# Altium PCB roach2.PcbDoc (part 28 of 39)
Units mil, origin at the board's own origin, x right, y up, seen from the top; angles counter-clockwise.
Board outline 12007.87 x 9606.3 mil, 16 copper layers (L1_TOP, L2_G, L3_S, L4_G, L5_S, L6_P, L7_G, L8_R, L9_R, L10_P, L11_P, L12_S, L13_P, L14_S, L15_G, L16_BOT), stack 81.651 mil thick; 1568 components, 1918 nets, 9251 pads, 6741 vias.
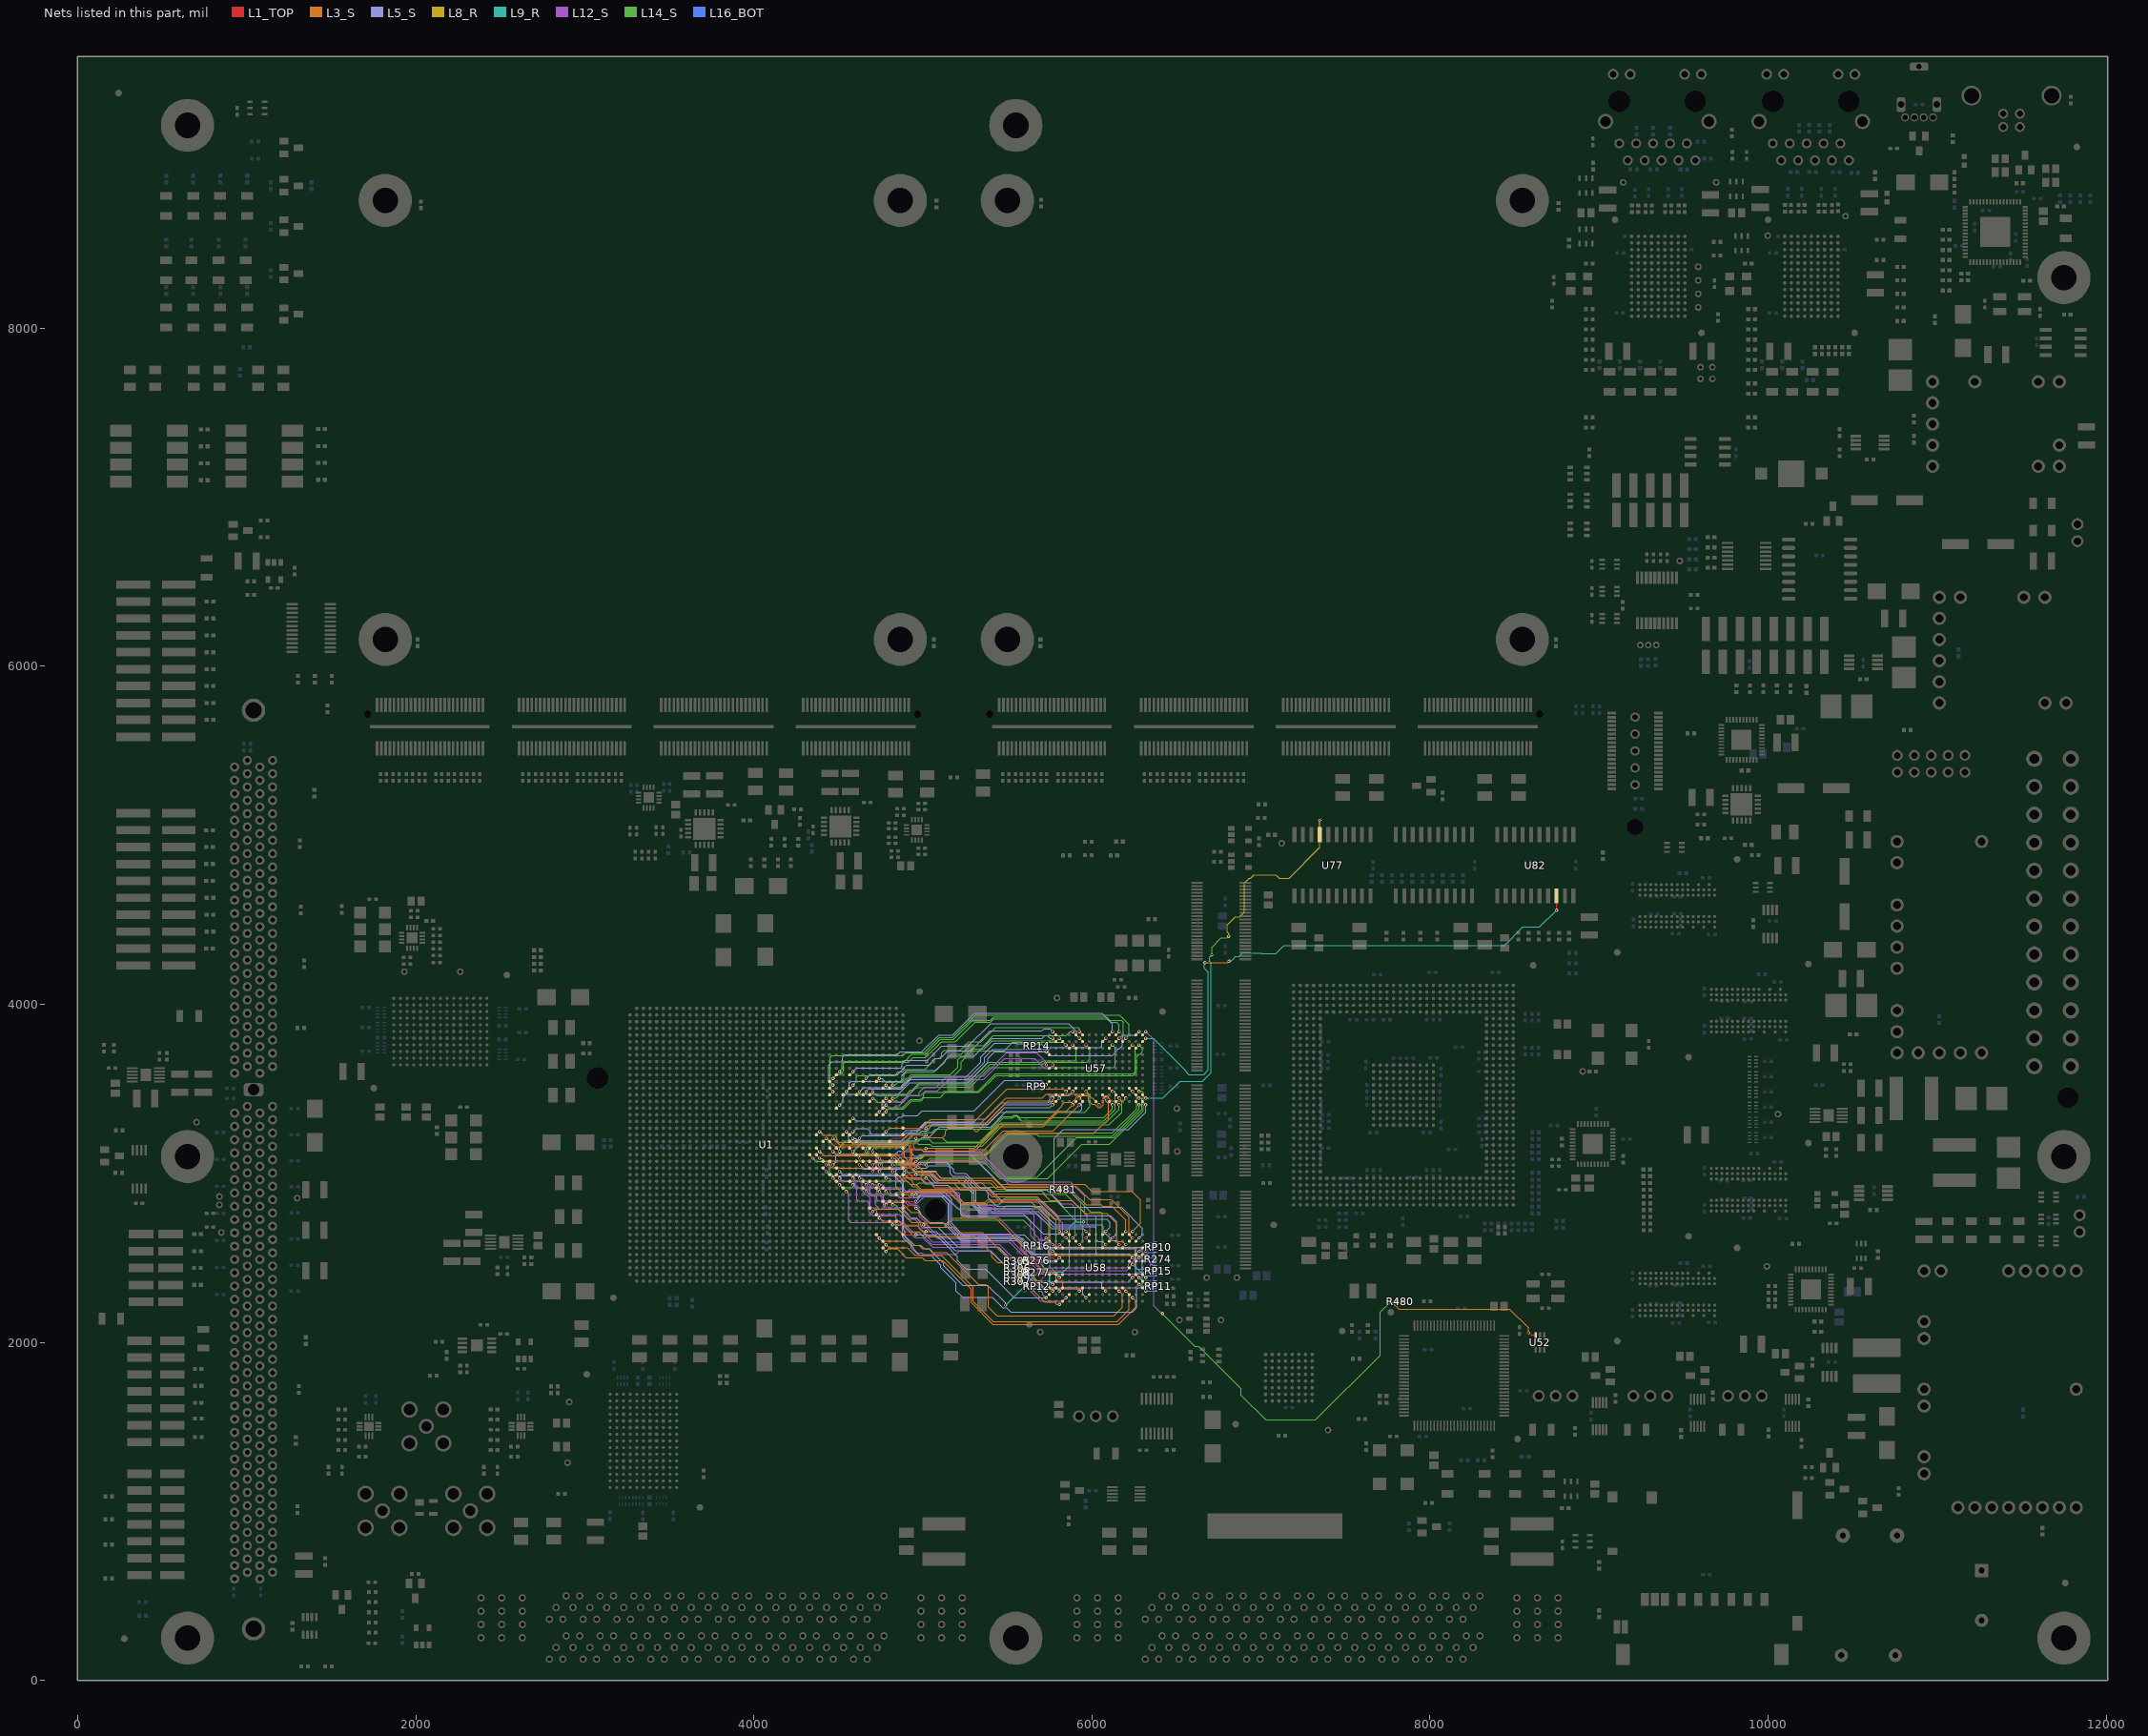
[diagram p42: the nets of this part, all layers, seen from the top]

## Via types
v1: diameter 19.4, hole 10, L1_TOP to L16_BOT, tented both sides, 3354 vias
v2: diameter 19.4, hole 10, L1_TOP to L16_BOT, 1954 vias
v3: diameter 19.4, hole 10, L1_TOP to L16_BOT, tented top, 429 vias
v4: diameter 18.6, hole 10, L1_TOP to L16_BOT, tented both sides, 311 vias
v5: diameter 59.06, hole 39.37, L1_TOP to L16_BOT, 217 vias
v6: diameter 19.4, hole 10.04, L1_TOP to L16_BOT, 125 vias
v7: diameter 19, hole 10, L1_TOP to L16_BOT, 93 vias
v8: diameter 19.4, hole 10, L1_TOP to L16_BOT, tented bottom, 80 vias
v9: diameter 25.98, hole 12.99, L1_TOP to L16_BOT, tented top, 55 vias
v10: diameter 20, hole 10, L1_TOP to L16_BOT, 53 vias
v11: diameter 59.06, hole 39.37, L1_TOP to L16_BOT, tented top, 44 vias
v12: diameter 20, hole 10, L1_TOP to L16_BOT, tented top, 16 vias
v13: diameter 19, hole 10, L1_TOP to L16_BOT, tented top, 5 vias
v14: diameter 25.98, hole 12.99, L1_TOP to L16_BOT, 4 vias
v15: diameter 50, hole 28, L1_TOP to L16_BOT, 1 vias

## Nets (pads, with @x,y where several pads share a name; then routed paths per layer and width w, separated by ;. In a path a pad name is that pad's centre, name@x,y a point inside that pad or via, vN(x,y) a via of type N, cw(c..) or ccw(c..) an arc to the next point about the centre after c; other vN are vias at no path point) (continued)
QDR0.D35: U1.E24 U57.P2 | length 1927.1
  L1_TOP w5: U1.E24@4723.51,3069.33 v1(4743.2,3049.64) ; U57.P2@6259.84,3464.57 v1(6279.53,3444.88)
  L14_S w3.8: v1(4743.2,3049.64) 4759.05,3065.49 4833.49,3065.49 4839.71,3059.28 4947.72,3059.28 4953.27,3053.73 4967.23,3053.73 4986.92,3073.42 5025.42,3073.42 5043.49,3091.49 5371.49,3091.49 5483.98,2979 5675.85,2979 5909.45,3212.6 6129.92,3212.6 6295.28,3377.95 6295.28,3440.94 6291.34,3444.88 v1(6279.53,3444.88)
QDR0.DOFFN: U1.A19 U57.H1 | length 1298.3
  L1_TOP w5: U1.A19@4880.99,3266.18 4881.89,3266.18 v2(5018.79,3266.18) ; U57.H1@6023.62,3425.2 v1(6043.31,3405.51)
  L3_S w3.8: v2@5019.68,3267.72 5039.37,3287.4 5334.65,3287.4 5492.13,3444.88 5706.29,3444.88 5729.68,3468.28 5974.26,3468.28 5997.66,3444.88 6003.94,3444.88 v1(6043.31,3405.51)
QDR0.K: U1.D17 U57.B6 | length 1238
  L1_TOP w5: U1.D17@4762.88,3344.92 4764.1,3346.14 v1(4782.57,3364.61) ; v1(5767.72,3641.73) U57.B6@5787.4,3622.05
  L12_S w3.8: v1(4782.57,3364.61) 4806.34,3388.38 4828.4,3388.38 4842.02,3401.99 4860.78,3401.99 4921.78,3462.99 4990.55,3462.99 4996.06,3468.5 5015.75,3488.19 5086.61,3488.19 5153.54,3555.12 5358.27,3555.12 5484.25,3681.1 5507,3681.1 5571.4,3681.1 cw(c5571.4,3676.7) 5575.8,3676.7 5575.8,3665 ccw(c5580.2,3665) 5580.2,3660.6 ccw(c5580.2,3665) 5584.6,3665 5584.6,3676.7 cw(c5589,3676.7) 5589,3681.1 5661.42,3681.1 5720.47,3622.05 5748.03,3622.05 v1(5767.72,3641.73)
QDR0.KN: U1.E17 U57.A6 | length 1238.2
  L1_TOP w5: U1.E17@4723.51,3344.92 4724.73,3346.14 v1(4743.2,3364.61) ; v1(5728.35,3641.73) U57.A6@5748.03,3622.05
  L12_S w3.8: v1(4743.2,3364.61) 4759.7,3381.1 4759.7,3406.2 4776.99,3423.49 4871.25,3423.49 4955.64,3507.87 5078.74,3507.87 5145.67,3574.8 5358.27,3574.8 5496.06,3712.6 5673.23,3712.6 5728.35,3657.48 v1(5728.35,3641.73)
QDR0.Q0: U1.G14 U57.P11 | length 1908.8
  L1_TOP w5: U1.G14@4644.77,3463.03 4645.99,3464.25 v1(4664.46,3482.72) ; U57.P11@6259.84,3818.9 v1(6279.53,3838.58)
  L5_S w3.8: v1(4664.46,3482.72) 4680.06,3498.32 4870.85,3498.32 4927.65,3555.12 5263.78,3555.12 5366.14,3657.48 5366.14,3685.04 5413.39,3732.28 5637.8,3732.28 5641.59,3736.07 5736.37,3736.07 5744.09,3728.35 5744.09,3712.6 5759.84,3696.85 6120.49,3696.85 6145.82,3722.18 6145.82,3726.94 6154.96,3736.07 6161.27,3736.07 6181.1,3755.91 6181.1,3807.09 6192.91,3818.9 6259.84,3818.9 v1(6279.53,3838.58)
QDR0.Q1: U1.M14 U57.M10 | length 2250.9
  L1_TOP w5: U1.M14@4447.92,3463.03 4449.14,3464.25 v1(4467.61,3482.72) ; U57.M10@6181.1,3779.53 v1(6200.79,3799.21)
  L14_S w3.8: v1@4468.5,3484.25 4452.01,3500.75 4452.01,3686.03 4461.51,3695.54 4880.9,3695.54 4900.21,3714.85 4913.14,3714.85 4915.47,3712.52 5007.8,3712.52 5098.43,3803.15 5177.17,3803.15 5311.02,3937.01 6162.98,3937.01 6220.47,3879.51 6220.47,3818.9 v1(6200.79,3799.21)
QDR0.Q2: U1.M12 U57.L11 | length 1975.9
  L1_TOP w5: U1.M12@4447.92,3541.77 v1(4467.61,3561.46) ; U57.L11@6141.73,3818.9 v1(6161.42,3838.58)
  L14_S w3.8: v1(4467.61,3561.46) 4489.64,3583.49 4511.7,3583.49 4530.75,3602.54 4530.75,3647.75 4539.17,3656.17 4912.07,3656.17 4913.39,3657.48 4940.94,3685.04 5015.75,3685.04 5110.24,3779.53 5194.07,3779.53 5308.32,3893.77 5337.67,3893.77 5337.74,3893.7 5399.2,3893.7 5418.88,3913.39 6088.99,3913.39 6108.68,3893.7 6145.67,3893.7 6161.42,3877.95 v1(6161.42,3838.58)
QDR0.Q3: U1.M13 U57.K11 | length 2073
  L1_TOP w5: U1.M13@4447.92,3502.4 4449.14,3503.62 v1(4467.61,3522.09) ; U57.K11@6102.36,3818.9 v1(6122.05,3838.58)
  L5_S w3.8: v1@4468.5,3523.62 4443.84,3548.29 4443.84,3641.34 4461.49,3658.99 4515.49,3658.99 4525.99,3669.49 4525.99,3686.99 4540.49,3701.49 4847.99,3701.49 4865.99,3719.49 4994.79,3719.49 4999.85,3724.56 ; 5000,3724.41 4999.85,3724.56 ; v1(6122.05,3838.58) 6122.05,3885.83 6059.05,3948.82 5307.09,3948.82 5177.17,3818.9 5094.19,3818.9 4999.85,3724.56
QDR0.Q4: U1.H14 U57.J10 | length 1702
  L1_TOP w5: U1.H14@4605.4,3463.03 v1(4625.09,3482.72) ; U57.J10@6062.99,3779.53 v1(6082.68,3799.21)
  L5_S w3.8: v1(4625.09,3482.72) 4648.86,3506.49 4867.99,3506.49 4932.37,3570.87 5255.91,3570.87 5342.52,3657.48 5342.52,3688.98 5424.54,3771 5551.68,3771 5554.96,3767.72 5698.41,3767.72 5722.03,3744.09 6023.62,3744.09 ; 6027.56,3744.09 6023.62,3744.09 ; v1(6082.68,3799.21) 6058.91,3775.44 6058.91,3753.38 6049.77,3744.24 6039.52,3744.24 6039.37,3744.09 6023.62,3744.09
QDR0.Q5: U1.J13 U57.F11 | length 1588.1
  L1_TOP w5: U1.J13@4566.03,3502.4 4567.25,3503.62 v1(4585.72,3522.09) ; v1(5925.2,3838.58) U57.F11@5944.88,3818.9
  L14_S w3.8: v1(4585.72,3522.09) 4605.99,3542.36 4605.99,3570.7 4612.35,3577.06 4836.03,3577.06 4845.34,3586.37 4845.34,3593.99 4852.04,3600.69 4879.44,3600.69 4892.92,3614.17 5011.81,3614.17 5076.92,3679.28 5097.37,3679.28 5111.08,3692.99 5111.08,3713.44 5125.98,3728.35 5220.47,3728.35 5271.65,3779.53 5346.46,3779.53 5429.13,3862.2 5917.32,3862.2 5925.2,3854.33 v1(5925.2,3838.58)
QDR0.Q6: U1.E12 U57.E11 | length 1345.7
  L1_TOP w5: U1.E12@4723.51,3541.77 4724.73,3542.99 v1(4743.2,3561.46) ; v1(5885.83,3838.58) U57.E11@5905.51,3818.9
  L14_S w3.8: v1(4743.2,3561.46) 4757.53,3561.46 4780.93,3538.06 4831.63,3538.06 4839.43,3545.86 4871.86,3545.86 4888.24,3562.24 4888.24,3584.77 4901.75,3598.28 5062.84,3598.28 5169.29,3704.72 5228.35,3704.72 5279.53,3755.91 5358.27,3755.91 5417.32,3814.96 5846.46,3814.96 5870.08,3838.58 v1(5885.83,3838.58)
QDR0.Q7: U1.C13 U57.C10 | length 1186.5
  L1_TOP w5: U1.C13@4802.25,3502.4 4803.47,3503.62 v1(4821.94,3522.09) ; v1(5807.09,3799.21) U57.C10@5826.77,3779.53
  L14_S w3.8: v1(4821.94,3522.09) 4835.09,3522.09 4851.06,3538.06 4878.56,3538.06 4906.04,3565.54 4913.14,3565.54 4930.27,3582.68 5162.78,3582.68 5208.42,3628.32 5208.42,3672.99 5224.41,3688.98 5240.16,3688.98 5287.4,3736.22 5362.2,3736.22 5409.45,3783.46 5791.34,3783.46 v1(5807.09,3799.21) ; v1@4822.84,3523.62 v1@4827.59,3523.62
QDR0.Q8: U1.G12 U57.B11 | length 1288.7
  L1_TOP w5: U1.G12@4644.77,3541.77 4645.99,3542.99 v1(4664.46,3561.46) ; v1(5767.72,3838.58) U57.B11@5787.4,3818.9
  L5_S w3.8: v1(4664.46,3561.46) 4688.23,3585.23 4850.46,3585.23 4892.51,3627.27 4892.51,3628.51 4905.73,3641.73 5035.43,3641.73 5072.98,3679.28 5103.69,3679.28 5148.83,3724.41 5283.46,3724.41 5397.64,3842.52 5704.72,3842.52 5716.54,3854.33 5751.97,3854.33 5755.91,3850.39 v1(5767.72,3838.58)
QDR0.Q9: U1.F15 U57.P9 | length 1932
  L1_TOP w5: U1.F15@4684.14,3423.66 4685.36,3424.88 v1(4703.83,3443.35) ; U57.P9@6259.84,3740.16 v1(6279.53,3759.84)
  L14_S w3.8: v1@4712.6,3444.88 4704.73,3444.88 4705.05,3444.56 4730.03,3419.58 4749.66,3419.58 4758.8,3410.44 4758.8,3402.69 4780.91,3380.58 4884.51,3380.58 4932.53,3428.59 4989.09,3428.59 5007.93,3447.43 5100.97,3447.43 5102.36,3448.82 5131.96,3478.42 5332.75,3478.42 5432.92,3578.59 6200.64,3578.59 6200.79,3578.74 6244.09,3578.74 6263.93,3598.57 6263.93,3689.12 6279.68,3704.87 6285.99,3704.87 6299.21,3718.1 6299.21,3740.16 v1(6279.53,3759.84)
QDR0.Q10: U1.D16 U57.N9 | length 1797.2
  L1_TOP w5: U1.D16@4762.88,3384.29 4764.1,3385.51 v1(4782.57,3403.98) ; U57.N9@6220.47,3740.16 v1(6240.16,3759.84)
  L14_S w3.8: v1(4782.57,3403.98) 4798.17,3388.38 4880.26,3388.38 4928.28,3436.39 4985.86,3436.39 5003.19,3453.72 5003.19,3469.49 5012.32,3478.63 5116.13,3478.63 5123.72,3486.22 5324.71,3486.22 5429.04,3590.55 6244.09,3590.55 6255.76,3602.21 6255.76,3744.24 v1(6240.16,3759.84)
QDR0.Q11: U1.L11 U57.L10 | length 2006.6
  L1_TOP w5: U1.L11@4487.29,3581.14 4488.51,3582.36 v1(4506.98,3600.83) ; U57.L10@6141.73,3779.53 v1(6161.42,3799.21)
  L14_S w3.8: v1(4506.98,3600.83) 4522.95,3616.8 4522.95,3652.95 4533.97,3663.97 4893.45,3663.97 4934.21,3704.72 5015.75,3704.72 5102.36,3791.34 5181.1,3791.34 5295.28,3905.51 5399.98,3905.51 5419.66,3925.2 6088.21,3925.2 6107.9,3905.51 6173.23,3905.51 6185.04,3893.7 6185.04,3822.83 v1(6161.42,3799.21)
QDR0.Q12: U1.D15 U57.K9 | length 1648.8
  L1_TOP w5: U1.D15@4762.88,3423.66 4764.1,3424.88 v1(4782.57,3443.35) ; U57.K9@6102.36,3740.16 v1(6122.05,3759.84)
  L14_S w3.8: v1(4782.57,3443.35) 4798.17,3427.75 4846.25,3427.75 4852.51,3421.48 4880.27,3421.48 4918.78,3459.99 4976.37,3459.99 4979.79,3463.41 4979.79,3479.18 5010.22,3509.62 5279.53,3509.62 5395.89,3625.98 6128.36,3625.98 6137.8,3635.42 6137.8,3744.1 v1(6122.05,3759.84)
QDR0.Q13: U1.C15 U57.G9 | length 1412
  L1_TOP w5: U1.C15@4802.25,3423.66 4803.47,3424.88 v1(4821.94,3443.35) ; v1(5964.57,3759.84) U57.G9@5984.25,3740.16
  L14_S w3.8: v1@4822.84,3444.88 4840.14,3444.88 4856.75,3461.49 4909.25,3461.49 4915.55,3467.79 4922.75,3467.79 4978.58,3523.62 5275.59,3523.62 5397.64,3645.67 5710.22,3645.67 5721.88,3657.33 5968.36,3657.33 5988.19,3677.17 5988.19,3740.16 5968.5,3759.84 v1(5964.57,3759.84)
QDR0.Q14: U1.J11 U57.F10 | length 1576.1
  L1_TOP w5: U1.J11@4566.03,3581.14 4567.25,3582.36 v1(4585.72,3600.83) ; v1(5925.2,3799.21) U57.F10@5944.88,3779.53
  L5_S w3.8: v1(4585.72,3600.83) 4609.49,3624.6 4867.77,3624.6 4876.91,3633.74 4876.91,3649.41 4895.55,3668.05 4994.81,3668.05 4996.05,3669.29 ; 5000,3669.29 4996.05,3669.29 ; v1(5925.2,3799.21) 5909.45,3814.96 5909.45,3838.58 5862.2,3885.83 5400.57,3885.83 5266.72,3751.97 5110.24,3751.97 5027.56,3669.29 4996.05,3669.29
QDR0.Q15: U1.F14 U57.E9 | length 1450.7
  L1_TOP w5: U1.F14@4684.14,3463.03 4685.36,3464.25 v1(4703.83,3482.72) ; v1(5885.83,3759.84) U57.E9@5905.51,3740.16
  L14_S w3.8: v1(4703.83,3482.72) 4727.6,3458.95 4843.18,3458.95 4853.52,3469.29 4906.02,3469.29 4929.14,3492.41 4936.33,3492.41 4979.36,3535.43 5263.78,3535.43 5385.83,3657.48 5704.72,3657.48 5712.38,3665.13 5897.42,3665.13 5905.51,3673.23 5905.51,3740.16 v1(5885.83,3759.84)
QDR0.Q16: U1.D13 U57.D9 | length 1270.5
  L1_TOP w5: U1.D13@4762.88,3502.4 4764.1,3503.62 v1(4782.57,3522.09) ; v1(5846.46,3759.84) U57.D9@5866.14,3740.16
  L14_S w3.8: v1@4783.47,3523.62 4783.79,3523.3 4800.6,3506.49 4867.77,3506.49 4876.91,3515.62 4876.91,3521.91 4911.99,3556.99 4920.49,3556.99 4938.3,3574.8 5181.1,3574.8 5228.35,3622.05 5228.35,3661.42 5291.34,3724.41 5480.31,3724.41 5531.5,3775.59 5830.71,3775.59 v1(5846.46,3759.84)
QDR0.Q17: U1.K14 U57.B10 | length 1461.7
  L1_TOP w5: U1.K14@4526.66,3463.03 4527.88,3464.25 v1(4546.35,3482.72) ; v1(5767.72,3799.21) U57.B10@5787.4,3779.53
  L5_S w3.8: v1(4546.35,3482.72) 4564.99,3501.36 4564.99,3535.99 4574.86,3545.86 4867.77,3545.86 4876.91,3554.99 4876.91,3581.91 4905.24,3610.24 5078.74,3610.24 5129.92,3661.42 5129.92,3669.29 5153.54,3692.91 5303.15,3692.91 5409.45,3799.21 5706.28,3799.21 5721.88,3814.81 5734.81,3814.81 5750.41,3799.21 v1(5767.72,3799.21)
QDR0.Q18: U1.H21 U57.B2 | length 1306.9
  L1_TOP w5: U1.H21@4605.4,3187.44 4606.62,3188.66 v1(4625.09,3207.13) ; v1(5767.72,3444.88) U57.B2@5787.4,3464.57
  L5_S w3.8: v1(4625.09,3207.13) 4641.06,3223.1 4885.6,3223.1 4902.99,3240.49 4962.05,3240.49 5019.68,3298.12 5372.92,3298.12 5377.95,3303.15 5480.31,3405.51 5745.66,3405.51 5767.72,3427.57 v1(5767.72,3444.88)
QDR0.Q19: U1.D20 U57.D3 | length 1231
  L1_TOP w5: U1.D20@4762.88,3226.81 4764.1,3228.03 v1(4782.57,3246.5) ; v1(5846.46,3484.25) U57.D3@5866.14,3503.94
  L3_S w3.8: v1(4782.57,3246.5) 4804.56,3268.49 4995.49,3268.49 5045.99,3318.99 5315.99,3318.99 5496.85,3499.85 5830.86,3499.85 v1(5846.46,3484.25)
QDR0.Q20: U1.J20 U57.E3 | length 1500.8
  L1_TOP w5: U1.J20@4566.03,3226.81 4567.25,3228.03 v1(4585.72,3246.5) ; v1(5885.83,3484.25) U57.E3@5905.51,3503.94
  L5_S w3.8: v1(4585.72,3246.5) 4605.21,3265.99 4670.04,3265.99 4688.23,3247.8 4688.23,3240.03 4697.37,3230.9 4876.4,3230.9 4898.49,3252.99 4963.52,3252.99 5016.45,3305.92 5303.58,3305.92 5320.49,3322.83 5370.08,3322.83 5464.57,3417.32 5740.16,3417.32 5752.12,3429.28 5752.12,3451.34 5761.25,3460.48 5862.06,3460.48 v1(5885.83,3484.25)
QDR0.Q21: U1.K20 U57.F2 | length 1658.3
  L1_TOP w5: U1.K20@4526.66,3226.81 4527.88,3228.03 v1(4546.35,3246.5) ; v1(5925.2,3444.88) U57.F2@5944.88,3464.57
  L5_S w3.8: v1(4546.35,3246.5) 4562.32,3230.52 4562.32,3197.43 4583.83,3175.93 4878.99,3175.93 4894.59,3191.53 4975.33,3191.53 4995.02,3211.21 5034.39,3211.21 5097.9,3274.72 5400.7,3274.72 5492.13,3366.14 5929.13,3366.14 5940.94,3377.95 5940.94,3433.07 5929.14,3444.88 v1(5925.2,3444.88)
QDR0.Q22: U1.L22 U57.G3 | length 1765.5
  L1_TOP w5: U1.L22@4487.29,3148.07 v1(4506.98,3128.38) ; v1(5964.57,3484.25) U57.G3@5984.25,3503.94
  L14_S w3.8: v1(4506.98,3128.38) 4506.98,3155.48 4543.03,3191.53 4877.53,3191.53 4939.99,3253.99 4977.99,3253.99 5007.32,3283.32 5019.54,3283.32 ; 5019.68,3283.46 5019.54,3283.32 ; v1(5964.57,3484.25) 5973.63,3475.19 5977.57,3475.19 5988.19,3464.57 5988.19,3393.7 5956.69,3362.2 5456.69,3362.2 5377.88,3283.39 5067.64,3283.39 5067.56,3283.32 5019.54,3283.32
QDR0.Q23: U1.G22 U57.K3 | length 1822.1
  L1_TOP w5: U1.G22@4644.77,3148.07 v1(4664.46,3128.38) ; U57.K3@6102.36,3503.94 v1(6122.05,3484.25)
  L14_S w3.8: v1(4664.46,3128.38) 4664.46,3152.59 4679.99,3168.13 4887.22,3168.13 4947.08,3227.99 4993.49,3227.99 5010.27,3211.21 5115.56,3211.21 5139.21,3187.56 5337.17,3187.56 5476.38,3326.77 5530.71,3326.77 5541.85,3337.91 5554.77,3337.91 5581.65,3311.02 6070.87,3311.02 6137.8,3377.95 6137.8,3480.31 6133.86,3484.25 v1(6122.05,3484.25)
QDR0.Q24: U1.F22 U57.L2 | length 1737.4
  L1_TOP w5: U1.F22@4684.14,3148.07 v1(4703.83,3128.38) ; U57.L2@6141.73,3464.57 v1(6161.42,3444.88)
  L14_S w3.8: v1@4705.05,3129.6 4704.73,3129.92 4704.73,3144.73 4712.53,3152.53 4893.68,3152.53 4920.57,3179.42 4966.19,3179.42 4973.77,3171.84 5041.1,3171.84 5051.52,3161.42 5350.39,3161.42 5476.38,3287.4 6102.36,3287.4 6177.02,3362.06 6177.02,3429.28 v1(6161.42,3444.88)
QDR0.Q25: U1.C23 U57.N3 | length 1743.1
  L1_TOP w5: U1.C23@4802.25,3108.7 v1(4821.94,3089.01) ; U57.N3@6220.47,3503.94 v1(6240.16,3484.25)
  L14_S w3.8: v1(4821.94,3089.01) 4835.4,3089.01 4849.54,3074.88 4915.38,3074.88 4934.77,3094.27 4960.41,3094.27 4960.63,3094.49 4988.97,3094.49 5008.58,3114.1 5370.01,3114.1 5496.06,3240.16 6122.05,3240.16 6263.78,3381.89 6263.78,3460.63 6251.97,3472.44 v1(6240.16,3484.25) ; v1@4822.84,3090.55 v1@4823.15,3090.23
QDR0.Q26: U1.C24 U57.P3 | length 1884.8
  L1_TOP w5: U1.C24@4802.25,3069.33 v1(4821.94,3049.64) ; U57.P3@6259.84,3503.94 v1(6279.53,3484.25)
  L14_S w3.8: v1(4821.94,3049.64) 4933.84,3049.64 4937.55,3045.93 4973.43,3045.93 4993.12,3065.62 5028.65,3065.62 5029.81,3066.78 5043.16,3066.78 ; 5043.31,3066.93 5043.16,3066.78 ; v1@6283.46,3480.31 6287.4,3484.25 6295.28,3484.25 6303.15,3476.38 6303.15,3370.08 6104.71,3171.64 5940.17,3171.64 5737.52,2969 5456.56,2969 5358.78,3066.78 5043.16,3066.78
QDR0.Q27: U1.J21 U57.B1 | length 1336.5
  L1_TOP w5: U1.J21@4566.03,3187.44 4567.25,3188.66 v1(4585.72,3207.13) ; v1(5767.72,3405.51) U57.B1@5787.4,3425.2
  L5_S w3.8: v1(4585.72,3207.13) 4603.03,3207.13 4618.63,3191.53 4872.53,3191.53 4913.69,3232.69 4975.69,3232.69 4993.58,3250.58 5025.25,3250.58 5034.39,3259.72 5034.39,3265.99 5058.71,3290.32 5384.81,3290.32 5484.25,3389.76 5751.97,3389.76 v1(5767.72,3405.51)
QDR0.Q28: U1.A20 U57.C2 | length 1085.9
  L1_TOP w5: U1.A20@4880.99,3226.81 4881.89,3226.81 v2(5018.79,3226.81) ; v1(5807.09,3444.88) U57.C2@5826.77,3464.57
  L3_S w3.8: v2@5019.68,3228.35 5020,3228.03 5035.43,3212.6 5118.11,3212.6 5133.86,3228.35 5133.86,3251.97 5149.61,3267.72 5291.34,3267.72 5311.02,3248.03 5322.83,3248.03 5503.94,3429.13 5791.34,3429.13 v1(5807.09,3444.88)
QDR0.Q29: U1.C21 U57.E1 | length 1318.5
  L1_TOP w5: U1.C21@4802.25,3187.44 4803.47,3188.66 4822.68,3207.87 v2@4959.73,3207.87 ; v1(5885.83,3405.51) U57.E1@5905.51,3425.2
  L3_S w3.8: v2@4960.63,3208.66 4960.63,3207.13 4960.63,3188.98 4944.13,3172.48 4944.13,3154.85 4956.49,3142.49 4992.99,3142.49 5003.01,3132.47 5305.7,3132.47 5448.82,3275.59 5712.6,3275.59 5803.15,3366.14 5846.46,3366.14 v1(5885.83,3405.51)
  other v2: 4959.73,3207.13
QDR0.Q30: U1.A24 U57.F1 | length 1213.7
  L1_TOP w5: U1.A24@4880.99,3069.33 4881.89,3069.33 v2(4959.73,3069.33) ; v1(5925.2,3405.51) U57.F1@5944.88,3425.2
  L3_S w3.8: v2@4960.63,3070.87 4996.06,3106.3 5330.71,3106.3 5476.38,3251.97 5673.21,3251.97 ; 5677.17,3251.97 5673.21,3251.97 ; v1(5925.2,3405.51) 5771.65,3251.97 5673.21,3251.97
QDR0.Q31: U1.B24 U57.J2 | length 1532.9
  L1_TOP w5: U1.B24@4841.62,3069.33 4861.31,3049.65 v2(5018.79,3049.65) ; U57.J2@6062.99,3464.57 v1(6082.68,3444.88)
  L3_S w3.8: v2@5019.68,3051.18 5043.31,3074.8 5330.71,3074.8 5492.13,3236.22 6011.81,3236.22 6098.28,3322.69 6098.28,3411.97 6082.68,3427.57 v1(6082.68,3444.88)
QDR0.Q32: U1.J22 U57.K1 | length 1733.1
  L1_TOP w5: U1.J22@4566.03,3148.07 v1(4585.72,3128.38) ; U57.K1@6102.36,3425.2 v1(6122.05,3405.51)
  L14_S w3.8: v1(4585.72,3128.38) 4633.26,3175.93 4883.99,3175.93 4944.55,3236.49 5006.41,3236.49 5012.32,3242.41 5018.49,3242.41 5018.86,3242.78 5053.8,3242.78 5074.8,3263.78 5397.64,3263.78 5468.58,3334.72 5527.63,3334.72 5538.62,3345.71 5558,3345.71 5573,3330.71 6070.87,3330.71 6090.55,3350.39 6122.05,3381.89 v1(6122.05,3405.51)
QDR0.Q33: U1.H23 U57.L1 | length 1780.6
  L1_TOP w5: U1.H23@4605.4,3108.7 v1(4625.09,3089.01) ; U57.L1@6141.73,3425.2 v1(6161.42,3405.51)
  L14_S w3.8: v1(4625.09,3089.01) 4625.09,3104.09 4633.78,3112.78 4670.92,3112.78 4680.06,3121.92 4680.06,3144.56 4695.83,3160.33 4890.45,3160.33 4921.65,3191.53 4966.19,3191.53 4977.71,3203.04 5034.39,3203.04 5057.66,3179.76 5345.12,3179.76 5464.57,3299.21 6082.68,3299.21 6161.42,3377.95 v1(6161.42,3405.51)
QDR0.Q34: U1.A22 U57.M2 | length 1600.9
  L1_TOP w5: U1.A22@4880.99,3148.07 4881.44,3147.62 4881.89,3147.62 5018.33,3147.62 v2(5018.79,3148.07) ; U57.M2@6181.1,3464.57 v1(6200.79,3444.88)
  L3_S w3.8: v2@5019.68,3149.61 5307.09,3149.61 5448.82,3291.34 5714.98,3291.34 5822.69,3399.05 5822.69,3403.8 5840.14,3421.26 5884.27,3421.26 5906.29,3443.28 5906.29,3448.04 5918.73,3460.48 5971.03,3460.48 5980.17,3451.34 5980.17,3429.28 5999.22,3410.23 6016.53,3410.23 6036.85,3389.91 6049.77,3389.91 6067.08,3407.22 6067.08,3451.34 6076.22,3460.48 6089.14,3460.48 6098.28,3451.34 6098.28,3446.59 6115.59,3429.28 6185.19,3429.28 v1(6200.79,3444.88)
QDR0.Q35: U1.E23 U57.P1 | length 1766.4
  L1_TOP w5: U1.E23@4723.51,3108.7 v1(4743.2,3089.01) ; U57.P1@6259.84,3425.2 v1(6279.53,3405.51)
  L14_S w3.8: v1(4743.2,3089.01) 4758.8,3073.41 4839.97,3073.41 4846.31,3067.08 4926.58,3067.08 4945.97,3086.47 4964.42,3086.47 ; 4964.57,3086.61 4964.42,3086.47 ; v1(6279.53,3405.51) 6279.53,3377.95 6121.97,3220.4 5682.62,3220.4 5672.02,3230.99 5499.96,3230.99 5375.27,3106.3 5011.81,3106.3 4991.98,3086.47 4964.42,3086.47
QDR0.RDN: RP14.4 U1.L16 U57.A8 | length 1475.5
  L1_TOP w5: U1.L16@4487.29,3384.29 4488.51,3385.51 v1(4506.98,3403.98) ; v1(5728.35,3720.47) U57.A8@5748.03,3700.79
  L5_S w3.8: v1(4506.98,3403.98) 4527.49,3424.49 4527.49,3448.99 4545.62,3467.12 4854.62,3467.12 4922.93,3535.43 5267.72,3535.43 5385.83,3653.54 5385.83,3681.1 5425.2,3720.47 v1(5728.35,3720.47)
  L16_BOT w5: RP14.4@5692.68,3723.46 5725.36,3723.46 v1(5728.35,3720.47)
QDR0.WRN: RP9.2 U1.J18 U57.A4 | length 1352
  L1_TOP w5: U1.J18@4566.03,3305.55 4567.25,3306.77 v1(4585.72,3325.24) ; v1(5728.35,3523.62) U57.A4@5748.03,3543.31
  L5_S w3.8: v1@4586.62,3326.77 4586.94,3326.45 4603.75,3309.64 4835.14,3309.64 4858.91,3333.41 4876.61,3333.41 4885.15,3341.95 4968.68,3341.95 4995.43,3368.69 5301.76,3368.69 5484.25,3551.18 5700.79,3551.18 5710.63,3541.34 v1(5728.35,3523.62)
  L16_BOT w5: RP9.2@5692.68,3522.83 5727.56,3522.83 v1(5728.35,3523.62)
QDR0_TCK: U57.R2 U77.7 | length 2524.4
  L1_TOP w5: U57.R2@6299.21,3464.57 v1(6318.9,3444.88) ; U77.7@7347.99,5004.09 v2(7347.99,5088.42)